# Altium PCB 11BRANMB10H3_20171027.pcbdoc (part 7 of 7) (continued)
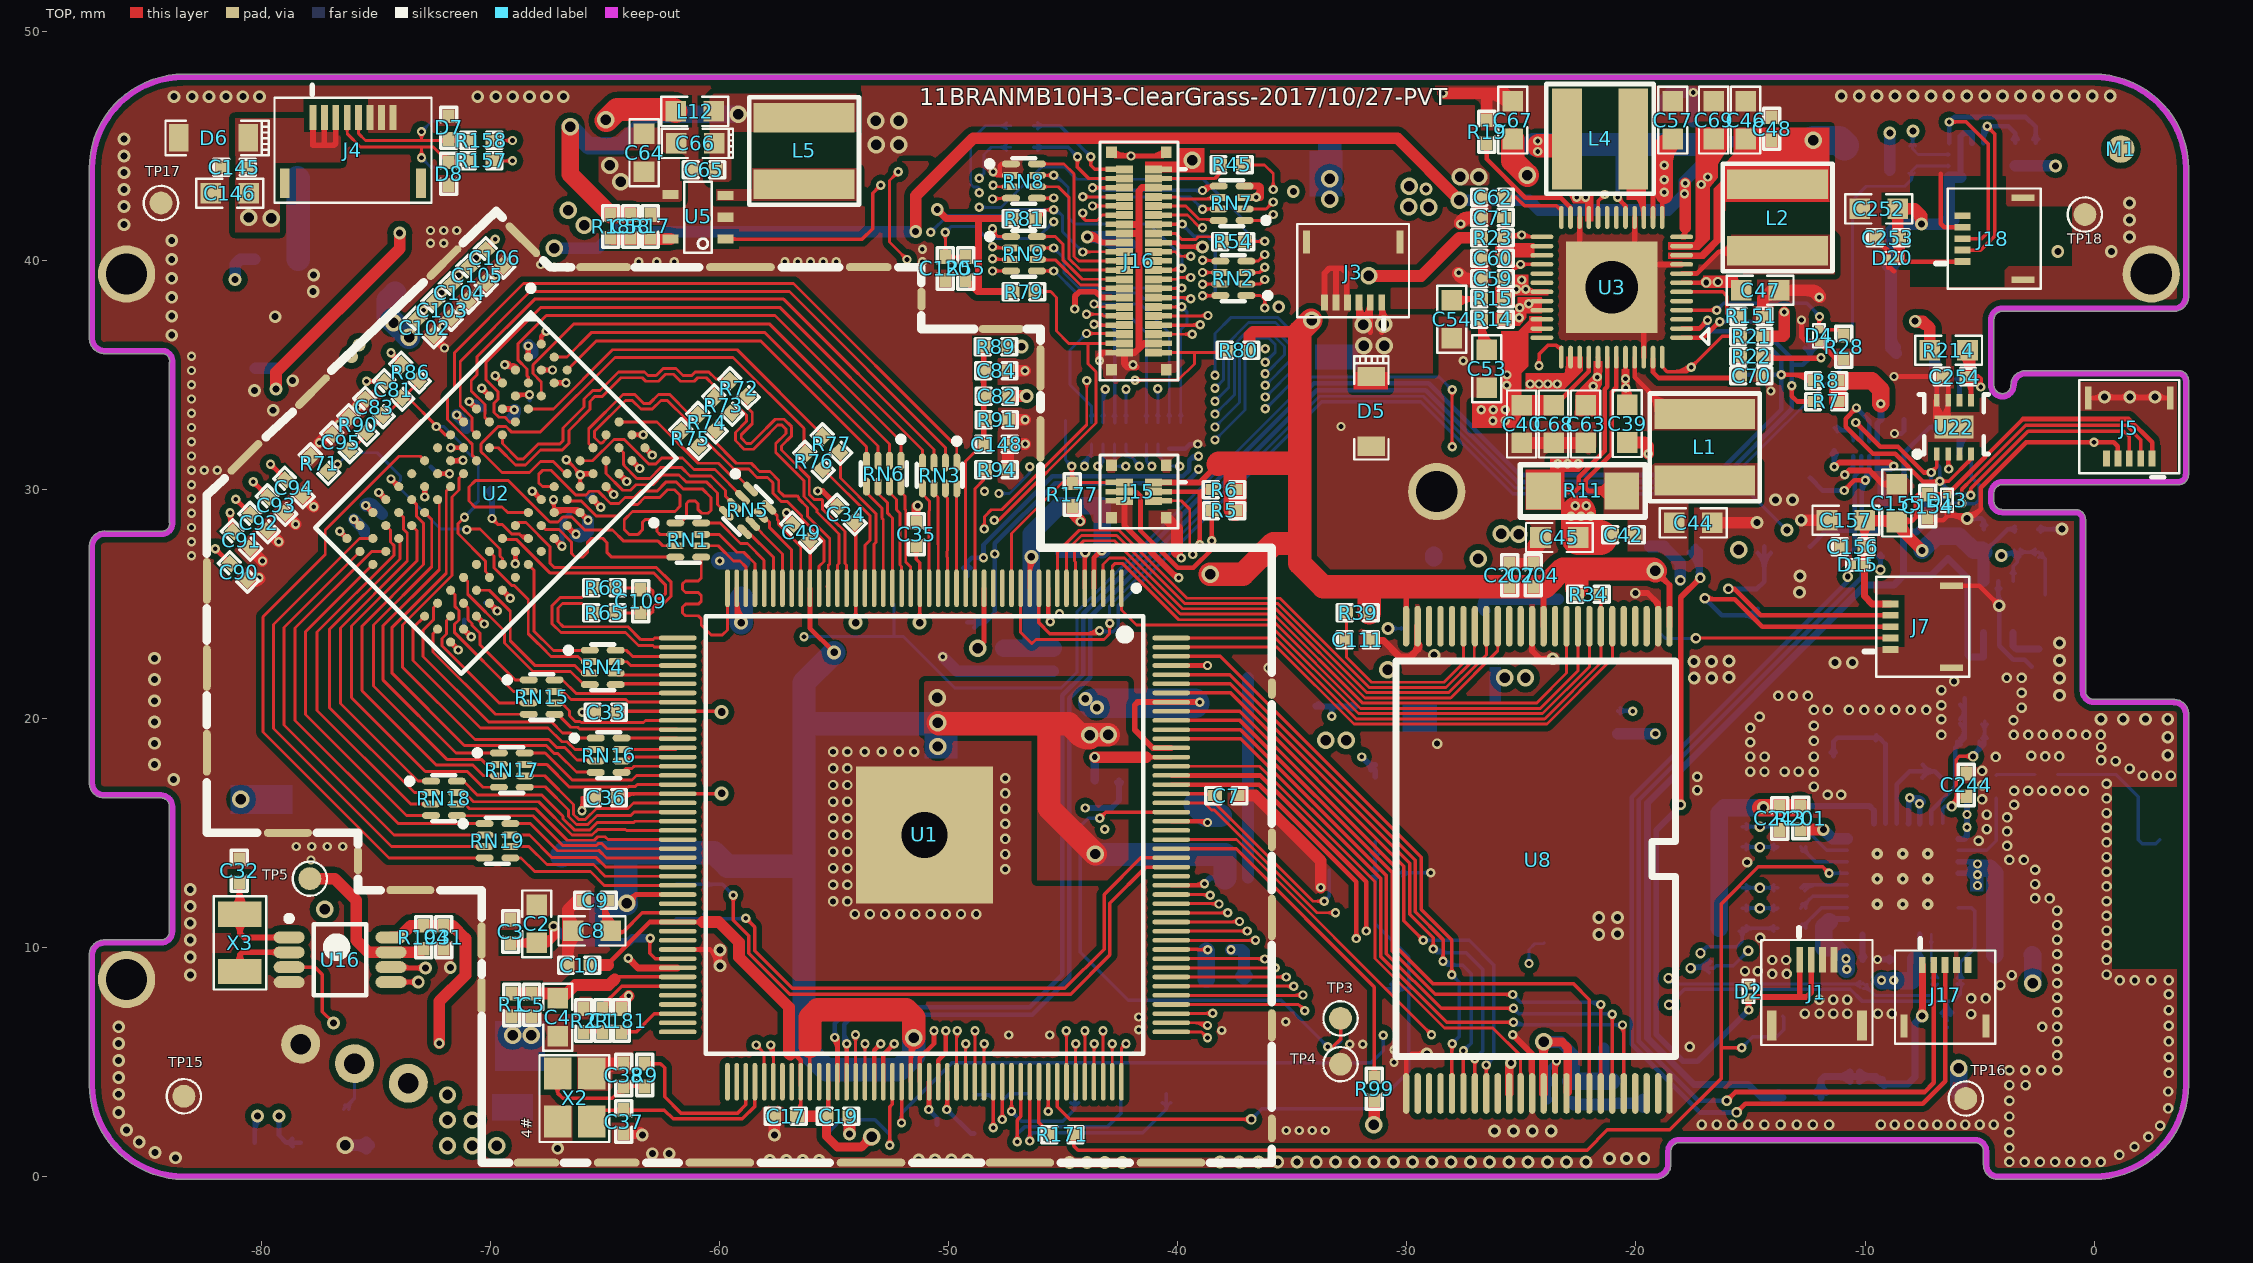
[diagram p0: TOP view]
## Polygon pours and split planes (outlines as drawn) (continued)
GND on TOP "Bottom-No Net" (solid, remove dead copper, pour order 578): -89.586,50.038 5.969,50.038 5.969,-2.565 6.121,-2.718 -91.338,-2.718 -91.643,-2.413
CORE-VDD on TOP "Bottom Layer-No Net" (solid, remove dead copper, pour order 608): -50.862,21.609 -42.175,21.609 -42.15,21.583 -42.175,21.558 -42.175,15.056 -42.175,12.973 -42.201,12.947 -42.226,12.922 -46.138,12.922 -46.138,19.221 -46.163,19.247 -46.265,19.348 -51.065,19.348 -51.065,21.558 -51.015,21.609
IPSOUT on TOP "TOP-No Net 1" (solid, remove dead copper, pour order 618): -65.289,44.52 -65.289,42.564 -61.759,42.564 -61.632,42.437 -61.657,42.462 -61.657,44.52
N502826 on TOP "TOP-No Net 1" (solid, remove dead copper, pour order 610): -54.037,45.612 -59.498,45.612 -59.498,43.478 -59.574,43.402 -59.6,43.427 -60.438,43.427 -60.438,47.085 -60.362,47.161 -60.26,47.263 -54.037,47.263
N502982 on TOP "TOP-No Net 1" (solid, remove dead copper, pour order 609): -53.961,43.986 -53.936,43.961 -53.936,42.589 -60.159,42.589 -60.159,43.097 -58.584,43.097 -58.584,44.012 -54.037,44.012 -54.012,43.986
N497618 on TOP "TOP-No Net 1" (solid, remove dead copper, pour order 605): -20.057,35.263 -20.035,35.241 -19.257,35.241 -18.898,34.882 -18.771,35.009 -14.58,35.009 -14.58,32.596 -14.705,32.471 -19.848,32.471 -19.848,34.059 -19.787,34.12 -19.914,34.247 -20.041,34.247
N496496 on TOP "Bottom Layer-No Net" (solid, remove dead copper, pour order 604): -17.501,39.454 -17.501,40.216 -17.498,40.219 -17.117,40.219 -16.358,40.978 -16.231,41.105 -15.977,41.105 -11.58,41.105 -11.516,41.169 -11.326,40.978 -11.326,39.4 -16.05,39.4 -16.104,39.454 -16.739,39.454 -17.466,39.454 -17.501,39.419
DCIN-5V on TOP "TOP-No Net 1" (solid, remove dead copper, pour order 614): -32.371,37.625 -32.371,35.107 -32.346,35.077 -28.866,35.077 -28.866,37.712 -28.942,37.625 -32.371,37.625
N496392 on TOP "Bottom Layer-No Net" (solid, remove dead copper, pour order 607): -21.373,31.058 -21.398,31.032 -21.398,28.746 -20.357,28.746 -20.357,27.121 -17.791,27.121 -17.766,27.095 -17.715,27.146 -17.715,29.457 -14.667,29.457 -14.642,29.432 -14.642,31.134 -21.373,31.134 -21.398,31.108
IPSOUT on TOP "Bottom Layer-No Net" (solid, remove dead copper, pour order 591): -53.834,48.743 -53.834,43.383 -53.834,42.977 -53.614,42.756 -25.764,42.756 -25.764,49.323 -26.225,49.784
USBVBUS on TOP "Bottom Layer-No Net" (solid, remove dead copper, pour order 598): -79.311,41.224 -81.165,41.224 -81.165,46.203 -79.869,46.203 -78.168,46.203 -78.168,45.745 -78.168,45.593 -76.542,45.593 -76.542,43.942 -76.694,44.094 -79.488,44.094 -79.209,44.094 -79.209,42.316 -79.209,41.224
GND on BOTTOM "Bottom-No Net" (solid, remove dead copper, pour order 573): -88.265,49.174 7.747,49.174 7.747,-0.965 8.026,-1.245 -88.138,-1.245 -88.265,-1.372
N17550467 on BOTTOM "Bottom Layer-No Net" (solid, pour order 603): -29.806,15.261 -23.125,15.261 -22.948,15.261 -22.948,13.61 -22.973,13.635 -25.284,13.635 -29.806,13.635
N17550444 on BOTTOM "Bottom Layer-No Net" (solid, pour order 602): -29.831,16.709 -21.5,16.709 -21.5,19.528 -21.5,19.757 -22.363,19.757 -23.659,19.757 -23.659,19.376 -23.659,18.055 -24.091,18.055 -28.434,18.055 -28.434,18.309 -28.434,18.385 -29.069,18.385 -29.831,18.385
IPSOUT on BOTTOM "Bottom Layer-No Net" (solid, pour order 601): -28.18,20.697 -25.919,20.697 -25.919,22.043 -25.919,22.246 -24.548,22.246 -23.735,22.246 -23.735,21.459 -23.735,19.909 -23.71,19.884 -23.71,19.147 -23.71,18.385 -23.837,18.258 -28.18,18.258
N499376 on BOTTOM "Bottom Layer-No Net" (solid, pour order 600): -80.606,38.096 -80.021,38.096 -80.021,36.775 -79.107,36.775 -78.929,36.775 -78.929,36.216 -78.929,35.81 -79.894,35.81 -81.622,35.81 -81.622,36.775 -80.58,36.775 -80.58,37.791 -80.58,38.096
BAT on BOTTOM "Bottom Layer-No Net" (solid, remove dead copper, pour order 599): -74.575,5.113 -70.892,5.113 -69.622,3.843 -69.266,3.488 -69.266,2.573 -69.266,0.617 -69.292,0.592 -73.457,0.592 -74.549,0.592 -74.575,0.617
CORE-VDD on BOTTOM "Bottom Layer-No Net" (solid, remove dead copper, pour order 612): -44.03,14.395 -44.03,12.693 -44.055,12.668 -44.055,12.541 -37.578,12.541 -37.781,12.744 -37.781,14.852 -44.03,14.852
CPU-VDD on BOTTOM "Bottom Layer-No Net" (solid, remove dead copper, pour order 611): -43.801,21.329 -43.268,21.329 -43.268,21.837 -43.242,21.863 -42.023,23.082 -41.54,23.565 -37.527,23.565 -37.527,15.081 -37.553,15.056 -37.705,15.208 -40.651,15.208 -40.651,19.856 -40.753,19.958 -43.776,19.958
N499368 on BOTTOM "TOP-No Net 1" (solid, remove dead copper, pour order 606): -73.29,46.018 -73.316,45.993 -73.316,39.744 -77.38,39.744 -77.405,39.719 -77.38,39.744 -77.38,40.913 -76.186,40.913 -76.161,40.938 -76.161,45.993
DCIN-5V on BOTTOM "TOP-No Net 1" (solid, remove dead copper, pour order 615): -24.649,38.195 -24.7,38.139 -32.371,38.139 -32.371,35.105 -32.396,35.077 -32.371,35.105 -25.31,35.105 -25.31,36.775 -25.284,36.803 -25.259,36.775 -24.649,36.775
IPSOUT on BOTTOM "TOP-No Net 1" (solid, remove dead copper, pour order 616): -75.373,36.646 -75.399,36.62 -77.812,36.62 -77.812,38.093 -78.726,38.093 -78.726,35.452 -78.65,35.376 -75.373,35.376
VLED- on BOTTOM "Bottom Layer-No Net" (solid, remove dead copper, pour order 586): -28.358,24.358 -28.333,24.333 -26.275,24.333 -26.275,27.407 -26.25,27.432 -26.301,27.382 -27.444,27.382 -27.571,27.382 -27.571,25.176 -27.571,24.879 -28.13,24.879 -28.358,24.879
N17800564 on BOTTOM "Bottom Layer-No Net" (solid, remove dead copper, pour order 587): -29.654,23.419 -29.654,23.622 -31.305,23.622 -31.33,23.647 -31.305,23.673 -31.305,24.46 -36.156,24.46 -36.156,22.073 -35.521,22.073 -35.521,21.082 -34.124,21.082 -34.099,21.107 -34.073,21.133 -34.073,22.809 -29.704,22.809 -29.654,22.86
N17800108 on BOTTOM "Bottom Layer-No Net" (solid, remove dead copper, pour order 589): -29.958,27.788 -36.156,27.788 -36.156,26.594 -36.156,25.933 -36.131,25.959 -31.381,25.959 -31.381,24.435 -31.355,24.46 -29.628,24.46 -29.628,24.816 -29.654,24.79 -29.958,24.79 -29.958,27.788
IPSOUT on BOTTOM "Bottom Layer-No Net" (solid, remove dead copper, pour order 592): -29.3,26.139 -29.265,26.167 -27.224,26.167 -27.224,27.689 -23.285,27.689 -23.214,27.745 -23.214,28.88 -29.265,28.88 -29.3,28.852 -29.476,28.852 -29.476,26.111
VLED+ on BOTTOM "Bottom Layer-No Net" (solid, remove dead copper, pour order 594): -33.87,22.657 -29.4,22.657 -29.4,21.647 -29.4,21.311 -33.184,21.311 -33.819,21.311 -33.87,21.367
HPVCC on BOTTOM "Bottom Layer-No Net" (solid, remove dead copper, pour order 590): -39.839,44.907 -39.811,44.933 -34.399,44.933 -34.399,43.555 -34.378,43.536 -37.007,43.536 -39.836,43.536 -39.839,43.538
VCC-5V on BOTTOM "Bottom Layer-No Net" (solid, remove dead copper, pour order 588): -69.074,6.096 -66.331,6.096 -60.286,6.096 -60.286,5.588 -60.286,4.597 -63.182,4.597 -68.846,4.597 -69.074,4.369
VCC-5V on BOTTOM "Bottom Layer-No Net" (solid, remove dead copper, pour order 593): -30.06,16.739 -30.06,19.355 -30.06,21.031 -30.085,21.057 -31.736,21.057 -31.736,19.863 -33.591,19.863 -34.505,19.863 -34.505,18.466 -34.505,16.967 -32.625,16.967 -32.244,16.967 -32.244,18.009 -32.244,18.593 -31.482,18.593 -30.898,18.593 -30.898,17.983 -30.898,16.739
CORE-VDD on BOTTOM "Bottom Layer-No Net" (solid, remove dead copper, pour order 596): -28.612,41.91 -32.575,41.91 -32.575,46.965 -28.739,46.965 -19.265,46.965 -19.265,45.974 -19.265,44.171 -19.316,44.221 -25.894,44.221 -28.612,44.221
USBVBUS on BOTTOM "Bottom Layer-No Net" (solid, remove dead copper, pour order 597): -34.251,44.069 -32.143,44.069 -32.143,41.453 -32.117,41.478 -31.101,41.478 -25.64,41.478 -24.853,40.691 -24.447,40.284 -24.447,38.329 -34.149,38.329 -34.251,38.43
CORE-VDD on BOTTOM "Bottom Layer-No Net" (solid, remove dead copper, pour order 613): -51.04,6.572 -51.04,4.642 -51.904,3.778 -52.132,3.549 -56.78,3.549 -57.136,3.549 -57.187,3.499 -57.238,3.549 -57.238,17.799 -57.238,23.463 -57.212,23.488 -57.187,23.514 -51.675,23.514 -49.999,23.514 -49.745,23.26 -49.618,23.133 -49.618,19.145 -49.618,18.916 -49.668,18.866 -49.694,18.891 -55.587,18.891 -55.587,6.572 -55.561,6.547
GND on POWER "Bottom-No Net" (solid, remove dead copper, pour order 574): -88.671,49.479 5.232,49.479 5.232,-1.295 -88.214,-1.295 -88.57,-1.651
BAT on POWER "Bottom Layer-No Net" (solid, remove dead copper, pour order 567): -72.474,0.914 -69.273,0.914 -69.273,1.575 -68.511,1.575 -56.065,1.575 -54.516,3.124 -54.516,5.969 -44,5.969 -39.53,10.439 -38.87,11.1 -38.87,13.563 -38.87,14.833 -38.412,15.291 -38.311,15.392 -35.161,15.392 -35.11,15.392 -34.094,14.376 -29.954,10.236 -27.922,10.236 -24.036,10.236 -22.385,11.887 -20.785,13.487 -20.785,15.646 -20.785,31.496 -20.785,31.902 -20.785,32.131 -21.725,33.071 -23.071,34.417 -24.798,34.417 -24.798,33.452 -24.138,32.791 -23.63,32.283 -23.63,29.921 -23.63,15.214 -24.468,14.376 -25.281,13.563 -28.913,13.563 -28.964,13.563 -31.732,16.332 -33.586,18.186 -39.708,18.186 -39.86,18.186 -41.892,16.154 -42.375,15.672 -42.375,12.319 -42.375,12.166 -43.238,11.303 -45.524,9.017 -48.293,9.017 -56.015,9.017 -57.666,7.366 -57.894,7.137 -57.894,5.004 -58.25,4.648 -58.402,4.496 -72.474,4.496
DRAM-VCC on POWER "TOP-No Net 1" (solid, remove dead copper, pour order 617): -71.284,41.218 -69.455,41.218 -67.474,39.236 -67.093,39.236 -46.976,39.236 -46.392,38.652 -46.011,38.271 -46.011,32.632 -46.189,32.632 -49.668,29.153 -49.795,29.026 -49.795,23.692 -59.041,23.692 -59.066,23.666 -59.143,23.59 -59.143,16.199 -59.143,14.802 -59.168,14.776 -59.219,14.725 -82.434,14.725 -82.434,29.635 -70.827,41.243
VCC-WIFI-3V3 on POWER "Bottom Layer-No Net" (solid, remove dead copper, pour order 595): -15.734,16.561 -15.76,16.535 -15.76,11.709 -15.76,7.823 -15.734,7.849 -9.13,7.849 -3.669,7.849 -3.644,7.823 -4.431,8.611 -4.431,17.043 -15.684,17.043 -15.734,16.993
IPSOUT on POWER "GRD" (solid, remove dead copper, pour order 619): -27.44,44.399 -27.331,44.501 -16.195,44.501 -16.195,38.608 -16.141,38.557 -16.168,38.532 -16.168,34.442 -16.168,33.884 -16.222,33.833 -16.25,33.807 -27.412,33.807
BAT on POWER "Bottom Layer-No Net" (solid, remove dead copper, pour order 568): -57.894,6.858 -57.894,7.772 -56.65,9.017 -56.319,9.347 -54.364,9.347 -46.032,9.347 -44.153,11.227 -43.01,12.37 -43.01,15.011 -43.01,15.951 -42.527,16.434 -42.375,16.586 -40.47,16.586 -40.47,11.735 -42.857,9.347 -44.204,8.001 -55.608,8.001 -55.608,7.925 -56.65,6.883
BAT on POWER "Bottom Layer-No Net" (solid, remove dead copper, pour order 569): -57.894,7.747 -61.349,4.292 -61.45,4.292 -61.45,3.632 -61.349,3.53 -61.12,3.759 -56.954,3.759 -56.954,7.848
BAT on POWER "Bottom Layer-No Net" (solid, remove dead copper, pour order 571): -33.586,18.186 -33.053,18.186 -33.002,18.186 -32.52,17.704 -28.887,14.071 -27.821,14.071 -25.585,14.071 -24.417,15.24 -24.138,15.519 -24.138,17.754 -24.138,20.294 -24.112,20.32 -24.087,20.345 -23.68,20.345 -22.69,20.345 -22.639,20.294 -22.741,20.193 -22.741,13.995 -22.741,13.944 -24.112,12.573 -24.29,12.751 -30.361,12.751 -30.361,14.706 -33.79,18.135
BAT on POWER "Bottom Layer-No Net" (solid, pour order 575): -20.785,13.487 -20.531,13.741 -20.531,14.478 -20.531,32.105 -20.531,32.131 -20.785,32.131 -20.963,32.131 -20.963,13.436 -20.988,13.411
CORE-VDD on POWER "Bottom Layer-No Net" (solid, remove dead copper, pour order 577): -51.036,21.59 -47.836,21.59 -47.836,19.913 -47.81,19.888 -44.788,19.888 -42.781,19.888 -42.375,20.294 -41.638,21.031 -41.638,24.358 -41.638,24.511 -41.689,24.562 -39.479,24.562 -35.822,24.562 -33.586,26.797 -33.561,26.822 -33.561,31.089 -33.561,31.521 -31.097,33.985 -29.98,35.103 -29.98,41.656 -29.98,43.434 -28.354,43.434 -28.354,32.867 -29.599,31.623 -30.742,30.48 -30.742,25.654 -30.742,25.501 -32.52,23.723 -33.713,22.53 -37.447,22.53 -38.539,22.53 -38.539,21.691 -39.911,20.32 -41.994,18.237 -51.062,18.237
CORE-VDD on POWER "Bottom Layer-No Net" (solid, remove dead copper, pour order 579): -30.335,34.722 -30.335,43.332 -30.056,43.612 -30.03,43.637 -28.481,43.637 -28.379,43.637 -28.354,43.662
CORE-VDD on POWER "Bottom Layer-No Net" (solid, remove dead copper, pour order 580): -30.335,43.058 -30.335,43.637 -28.964,43.637 -28.938,43.612 -28.938,41.935 -30.335,41.935
CORE-VDD on POWER "Bottom Layer-No Net" (solid, remove dead copper, pour order 581): -28.379,42.189 -27.998,42.189 -27.998,32.944 -29.345,31.597 -30.538,30.404 -30.538,28.194 -30.538,25.197 -32.164,23.571 -33.51,22.225 -37.879,22.225 -37.904,22.225 -39.352,20.777 -40.19,19.939 -40.394,19.939 -40.394,22.911 -40.165,23.139 -39.708,23.596 -35.39,23.596 -34.171,23.596 -32.012,25.755 -30.792,26.975 -30.792,32.207 -30.792,32.232 -28.862,34.163 -28.811,34.214 -28.811,41.935
CORE-VDD on POWER "Bottom Layer-No Net" (solid, remove dead copper, pour order 582): -39.581,22.885 -33.459,22.885 -33.332,22.758 -33.282,22.707 -33.078,22.707 -33.078,22.657 -33.51,22.225 -33.891,21.844 -36.711,21.844 -37.142,21.844 -38.616,20.371 -39.022,19.964 -40.216,19.964 -40.216,22.555 -40.089,22.682 -39.886,22.885 -33.434,22.885
CPU-VDD on POWER "Bottom Layer-No Net" (solid, remove dead copper, pour order 583): -11.819,44.551 -22.766,44.551 -23.528,45.313 -23.604,45.39 -25.23,45.39 -29.802,45.39 -30.615,44.577 -30.665,44.526 -30.665,43.764 -30.665,40.995 -31.3,40.36 -32.164,39.497 -32.164,35.814 -32.164,33.604 -32.951,32.817 -34.018,31.75 -34.018,29.667 -34.018,28.143 -37.142,25.019 -37.193,24.968 -43.111,24.968 -43.238,24.968 -43.238,21.92 -43.238,20.244 -43.492,19.99 -43.518,20.015 -46.718,20.015 -47.048,20.015 -47.429,20.015 -47.429,21.971 -49.487,21.971 -49.487,28.499 -46.972,31.013 -45.524,32.461 -40.216,32.461 -37.828,32.461 -34.704,35.585 -34.602,35.687 -34.602,41.427 -34.602,41.884 -32.621,43.866 -32.418,44.069 -32.418,46.863 -32.418,47.142 -26.779,47.142 -11.717,47.142 -11.717,46.279 -11.717,47.041 -11.615,47.142 -11.59,47.117 -11.59,45.085 -11.59,44.551
CPU-VDD on POWER "Bottom Layer-No Net" (solid, pour order 584): -34.602,41.529 -35.237,41.529 -35.237,39.065 -35.237,36.296 -36.914,34.62 -37.803,33.731 -45.448,33.731 -45.474,33.731 -45.499,33.706 -45.499,31.851 -36.355,31.851 -35.822,32.385 -33.866,34.341 -33.866,35.509 -33.866,41.249 -33.79,41.326
CORE-VDD on POWER "Bottom Layer-No Net" (solid, pour order 585): -66.505,10.744 -55.608,10.744 -55.583,10.769 -55.583,15.951 -55.583,18.948 -55.608,18.974 -49.284,18.974 -49.284,21.615 -49.334,21.564 -51.087,21.564 -51.087,23.165 -51.062,23.19 -51.062,23.419 -58.555,23.419 -58.58,23.444 -58.58,22.58 -58.58,14.3 -58.58,14.021 -66.479,14.021
HPVCC on POWER "Bottom-No Net" (solid, remove dead copper, pour order 620): -9.377,41.036 -9.377,46.455 -9.355,46.478 -1.223,46.478 -1.219,46.482 -1.219,43.205 -6.325,43.205 -6.35,43.18 -6.35,41.073 -6.387,41.036
GND on GND1 "Bottom-No Net" (solid, remove dead copper, pour order 570): -88.57,49.251 4.877,49.251 5.004,49.378 5.004,-0.559 -88.087,-0.559
GND on Singal "Bottom-No Net" (solid, remove dead copper, pour order 572): -89.51,49.251 4.648,49.251 4.648,-1.194 4.75,-1.295 -89.002,-1.295 -89.383,-0.914
GND on GND2 "Bottom-No Net" (solid, remove dead copper, pour order 576): -88.925,49.606 5.359,49.606 5.588,49.378 5.588,-1.168 5.715,-1.295 -88.9,-1.295 -89.027,-1.168
GND on Drill Drawing "Bottom-No Net" (solid, remove dead copper): -89.002,49.022 4.699,49.022 4.826,48.895 4.826,-1.372 4.521,-1.676 -89.154,-1.676 -89.738,-1.092

## Keep-outs
Keep-Out Layer:
  lines w0.254: -86.901,16.656 -84.4,16.656 cw(c-84.413,16.142) -83.9,16.129 ; -86.901,16.66 cw(c-86.901,17.158) -87.4,17.158 -87.4,27.55 cw(c-86.85,27.5) -86.8,28.05 -84.3,28.05 ccw(c-84.35,28.5) -83.9,28.55 -83.9,35.55 ccw(c-84.35,35.6) -84.3,36.05 -86.8,36.05 cw(c-86.85,36.6) -87.4,36.55 -87.4,44 cw(c-83.4,44) -83.4,48 0,48 cw(c0,44) 4,44 4,38.4 cw(c3.5,38.4) 3.5,37.9 -4,37.9 ccw(c-4,37.4) -4.5,37.4 -4.5,34.552 ccw(c-4,34.552) -4,34.052 ccw(c-4,34.552) -3.5,34.552 cw(c-3,34.552) -3,35.052 3.7,35.052 cw(c3.7,34.752) 4,34.752 4,30.632 ; -83.9,16.156 -83.9,10.7 cw(c-84.4,10.7) -84.4,10.2 -86.873,10.2 ccw(c-86.887,9.687) -87.4,9.7 -87.4,4 ccw(c-83.4,4) -83.4,0 -19.2,0 ccw(c-19.15,0.55) -18.6,0.5 -18.6,1.1 cw(c-18.1,1.1) -18.1,1.6 -5.2,1.6 cw(c-5.2,1.1) -4.7,1.1 -4.7,0.5 ccw(c-4.2,0.5) -4.2,0 0,0 ccw(c0,4) 4,4 4,20.2 ; -4.5,29.8 -4.5,29.49 ; -4.5,29.825 cw(c-3.999,29.826) -4,30.328 3.697,30.328 ccw(c3.697,30.628) 3.997,30.628 ; 3.5,20.698 cw(c3.5,20.198) 4,20.198 ; 3.5,20.7 0,20.7 cw(c0,21.2) -0.5,21.2 -0.5,28.69 ccw(c-0.8,28.69) -0.8,28.99 -4,28.99 ; -4.5,29.49 ccw(c-4,29.49) -4,28.99 ; -4.5,29.49 ccw(c-4,29.49) -4,28.99

## Other copper
TOP:
  rectangle net N497492: -20.422,42.629 -19.657,44.534
  rectangle net DCIN-5V: -25.284,37.458 -24.929,37.712
  rectangle net IPSOUT: -17.08,38.83 -15.556,39.338
  rectangle net HPVCC: -39.966,43.917 -38.848,44.907
  rectangle net HPVCC: -41.439,43.84 -38.848,44.323
  rectangle net DCIN-5V: -32.342,34.366 -30.818,35.128
  rectangle net IPSOUT: -20.632,34.036 -20.277,35.255
  pour cut-out: -4.191,35.027 -0.635,35.027 -0.66,30.328 -4.166,30.328 -4.191,30.353
  pour cut-out: -8.026,39.853 -8.026,43.637 -8.001,43.663 -3.886,43.663 -3.861,43.637 -3.861,42.494 -3.886,42.469 -3.759,42.342 -0.965,42.342 -0.965,39.751 -3.734,39.751 -3.912,39.573 -3.912,38.837 -8.026,38.837 -8.026,39.761
  pour cut-out: 4.234,17.018 0.805,17.018 0.78,16.992 0.78,9.042 4.742,9.042
  region net IPSOUT: -24.103,36.833 -24.107,36.829 -24.107,36.83 -24.713,36.83 -24.713,35.382 -25.018,35.077 -25.018,32.69 -27.151,32.69 -27.151,33.756 -25.881,33.756 -25.881,36.906 -25.145,36.906 -24.662,37.389 -24.662,37.554 -24.65,37.566 -24.103,37.566
  region net DCIN-5V: -26.135,37.719 -25.399,37.719 -25.272,37.795 -25.272,38.049 -25.17,38.125 -25.17,38.379 -24.103,38.379 -24.103,37.693 -24.789,37.693 -24.789,37.49 -25.068,37.135 -26.135,37.135
  region net USBVBUS: -25.424,38.836 -25.322,38.963 -25.322,39.37 -24.713,39.37 -24.713,38.938 -24.586,38.786 -24.547,38.731 -24.179,38.735 -23.824,38.735 -23.824,38.481 -25.246,38.481 -25.272,38.43 -25.399,38.1 -25.449,37.973 -26.135,37.973 -26.135,38.836
  region net VINT: -24.433,40.741 -25.297,40.741 -25.297,40.589 -26.135,40.589 -26.135,39.776 -25.449,39.776 -25.373,39.852 -25.373,40.106 -25.297,40.132 -24.992,40.132 -24.433,40.106
  region net BAT: -23.748,30.861 -23.748,31.343 -22.3,31.343 -22.3,30.937 -22.478,30.759 -23.138,30.759 -23.138,29.108 -24.814,29.108 -24.814,30.861
  region net BAT: -24.814,35.077 -24.814,34.341 -23.138,34.366 -22.325,35.179 -22.325,35.788 -23.036,35.788 -23.036,35.433 -23.113,35.077
  region net WIFI_3V3: -21.843,35.585 -21.843,35.001 -22.249,34.595 -22.63,34.188 -22.681,33.198 -21.589,33.198 -21.589,34.391 -21.487,34.595 -21.462,35.585
  pour cut-out: -81.037,42.312 -80.987,42.312 -80.987,42.414 -81.037,42.414
  pour cut-out: -24.651,37.565 -24.652,37.564 -24.652,36.874 -24.151,36.874 -24.107,36.829 -24.107,37.612 -24.529,37.612
  pour cut-out: -77.572,28.278 -68.174,37.676 -68.174,37.59 -61.951,31.367 -71.349,21.969 -71.349,21.928
  pour cut-out: -77.572,28.278 -68.26,37.59 -68.174,37.59 -61.951,31.367 -71.349,21.969 -71.349,21.928
  pour cut-out: -70.206,15.578 -69.317,15.578 -69.317,13.673 -70.206,13.673
  pour cut-out: -61.951,28.786 -61.697,28.532 -59.665,28.532 -59.665,23.579 -59.538,23.452 -63.094,23.452 -63.094,25.992 -63.257,26.155 -63.257,28.675
  pour cut-out: -49.505,31.072 -53.823,31.072 -53.823,30.183 -49.505,30.183
  pour cut-out: -53.823,30.183 -58.268,30.183 -63.221,25.23 -65.126,25.23 -72.873,32.977 -66.904,38.946 -62.586,38.946
  pour cut-out: -19.295,32.599 -19.284,32.588 -14.691,32.588 -14.691,31.136 -19.295,31.136
  pour cut-out: -16.12,42.565 -11.55,42.565 -11.516,42.599 -11.516,41.169 -16.12,41.169
  pour cut-out: -19.45,42.297 -19.401,42.248 -18.651,42.248 -18.651,41.869 -19.45,41.869
  pour cut-out: -53.936,45.51 -53.936,44.062 -53.961,44.037 -58.66,44.037 -58.66,45.485 -58.685,45.51
  pour cut-out: -26.402,43.891 -26.402,43.205 -26.479,43.282 -28.434,43.282 -28.384,43.231 -28.384,42.596 -25.742,42.596 -25.666,42.672 -25.844,42.85 -25.844,43.891
  pour cut-out: -65.289,44.779 -65.291,44.78 -65.988,44.78 -65.988,43.942 -65.81,43.764 -65.531,43.764 -65.531,44.526 -65.302,44.755
  region net WIFI_3V3: -17.245,40.462 -16.788,40.919 -16.788,43.18 -16.432,43.612 -16.432,44.196 -16.026,44.831 -16.026,45.796 -17.398,45.821 -17.398,40.945 -17.448,40.792 -18.591,40.792 -18.591,40.487 -18.566,40.462
  region net CPU-VDD: -18.591,40.335 -17.194,40.335 -16.61,40.919 -16.61,43.129 -16.153,43.586 -16.153,44.196 -15.721,44.628 -15.721,45.796 -11.556,45.796 -11.556,42.571 -11.55,42.565 -11.57,42.545 -16.102,42.545 -16.153,40.97 -17.017,40.056 -18.591,40.056
  pour cut-out: -11.58,41.105 -11.31,41.105 -11.302,41.097 -11.302,41.224 -11.657,41.224 -11.683,41.249
  region net IPSOUT: -22.884,42.977 -21.868,42.977 -21.868,41.707 -22.224,41.707 -22.224,42.494 -22.732,42.494 -22.884,42.773
Singal:
  pour cut-out: -6.387,43.129 -2.323,43.129 -2.323,38.755 -6.387,38.755
  pour cut-out: -58.063,21.666 -56.742,21.666 -56.793,21.615 -56.793,12.471 -57.936,12.471 -58.063,12.598
  pour cut-out: 4.234,17.043 0.805,17.043 0.78,17.018 0.78,9.068 4.742,9.068
  pour cut-out: -4.191,35.027 -0.635,35.027 -0.66,30.328 -4.166,30.328 -4.191,30.353
POWER:
  rectangle net CORE-VDD: -42.578,19.71 -41.562,24.485
  rectangle net CORE-VDD: -30.335,34.518 -29.878,36.22
  rectangle net CPU-VDD: -31.021,45.11 -24.823,45.618
  rectangle net CORE-VDD: -28.303,35.237 -28.075,39.116
  pour cut-out: -6.387,43.129 -2.323,43.129 -2.323,38.755 -6.387,38.755
  pour cut-out: -6.387,43.129 -2.323,43.129 -2.323,38.755 -6.387,38.755
  pour cut-out: -25.361,33.63 -25.412,33.68 -25.412,35.357 -20.687,35.357 -20.662,35.331 -20.687,35.306 -20.687,34.188 -19.214,34.188 -19.163,34.239 -19.113,34.188 -15.811,34.188 -15.811,33.655 -15.938,33.528 -16.115,33.706 -25.412,33.706
  pour cut-out: -18.046,44.425 -18.046,43.815 -15.836,43.815 -15.836,44.348 -15.887,44.399
  pour cut-out: -17.944,43.078 -17.944,39.675 -15.963,39.675 -15.938,39.7 -16.039,39.802 -16.039,42.977
  pour cut-out: -16.242,38.71 -17.97,38.71 -17.97,34.112 -17.766,33.909 -15.836,33.909 -15.836,38.659 -15.811,38.684
  pour cut-out: -23.812,44.577 -19.214,44.577 -19.189,44.552 -19.189,43.942 -23.812,43.942
  pour cut-out: -76.893,34.899 -76.436,34.442 -76.436,34.417 -74.303,36.55 -74.938,37.185 -75.268,37.185 -77.147,35.306
  pour cut-out: -32.337,42.672 -32.342,42.667 -32.342,41.554 -32.367,41.529 -34.653,41.529 -34.653,42.24 -34.628,42.265
  pour cut-out: -66.733,14.529 -59.19,14.529 -58.936,14.783 -58.936,23.469 -58.834,23.571 -58.428,23.571 -58.377,23.52 -58.377,14.275 -58.504,14.148 -66.733,14.148
  pour cut-out: -47.014,31.623 -46.608,31.623 -46.608,30.835 -47.37,30.073 -48.182,30.073 -48.182,30.302 -48.233,30.353 -47.014,31.572
  pour cut-out: -60.451,6.197 -60.451,5.461 -60.4,5.41 -58.596,7.213 -58.571,7.213 -58.571,7.366 -56.361,9.576 -56.539,9.753 -56.768,9.753
  pour cut-out: 4.234,17.043 0.805,17.043 0.78,17.018 0.78,9.068 4.742,9.068
  pour cut-out: -4.191,35.027 -0.635,35.027 -0.66,30.328 -4.166,30.328 -4.191,30.353
GND1:
  pour cut-out: -6.387,43.129 -2.323,43.129 -2.323,38.755 -6.387,38.755
  pour cut-out: 4.234,17.018 0.805,17.018 0.78,16.992 0.78,9.042 4.742,9.042
  pour cut-out: -4.191,35.027 -0.635,35.027 -0.66,30.328 -4.166,30.328 -4.191,30.353
GND2:
  pour cut-out: -6.387,43.129 -2.323,43.129 -2.323,38.755 -6.387,38.755
  pour cut-out: 4.234,17.018 0.805,17.018 0.78,16.992 0.78,9.042 4.742,9.042
  pour cut-out: -4.191,35.027 -0.635,35.027 -0.66,30.328 -4.166,30.328 -4.191,30.353
BOTTOM:
  rectangle net USBVBUS: -33.891,43.993 -32.85,45.567
  rectangle net IPSOUT: -26.398,20.675 -25.89,22.25
  rectangle net VCC-WIFI-3V3: -5.418,12.446 -4.834,13.817
  rectangle net BAT: -69.938,2.438 -68.16,3.607
  rectangle net VCC-5V: -69.811,4.597 -67.627,6.782
  rectangle net DCIN-5V: -34.022,35.23 -32.143,36.322
  rectangle net USBVBUS: -34.247,42.773 -32.803,44.78
  rectangle net VCC-5V: -30.187,19.406 -28.688,20.599
  rectangle net DRAM-VCC: -81.368,15.824 -78.65,17.094
  rectangle net CORE-VDD: -51.062,18.237 -49.614,19.253
  pour cut-out: -3.8,43.129 -3.8,40.9 -3.9,40.8 -6.387,40.8 -6.387,38.755 -2.323,38.755 -2.323,43.129
  pour cut-out: 0.818,16.954 0.818,17.281 0.831,17.294 0.935,17.294 0.935,17.237 1.048,17.124 0.982,17.059 0.982,16.938
  pour cut-out: -23.633,18.563 -23.633,19.731 -23.684,19.782 -23.71,19.757 -23.71,18.563 -23.735,18.538
  pour cut-out: -28.129,17.979 -28.434,17.979 -28.439,17.984 -28.439,18.258 -28.256,18.258 -28.256,18.106 -28.155,18.106 -28.129,18.08
  pour cut-out: -23.633,18.563 -23.633,18.004 -23.938,18.004 -23.938,18.106 -23.71,18.106 -23.735,18.131 -23.735,18.563
  pour cut-out: -77.735,45.942 -77.786,45.891 -77.786,41.243 -76.364,41.243 -76.313,41.192 -76.161,41.345 -76.161,45.91
  pour cut-out: -28.124,26.307 -27.85,26.307 -27.85,26.167 -28.124,26.167
  pour cut-out: -32.224,41.91 -32.219,41.905 -32.219,41.123 -25.285,41.123 -25.361,41.199 -25.361,41.656
  pour cut-out: 2.532,16.967 2.532,14.275 2.558,14.249 2.583,14.275 3.244,14.275 3.244,17.018 3.269,16.992 4.082,16.992 4.082,9.042 4.056,9.017 2.939,9.017 2.939,10.058 1.897,10.058 1.897,9.004 0.818,9.004 0.818,16.954 0.805,16.967
  pour cut-out: -53.847,6.604 -53.796,6.655 -52.043,6.655 -52.043,6.172 -52.069,6.197 -53.821,6.197
  pour cut-out: -4.191,35.027 -0.635,35.027 -0.66,30.328 -4.166,30.328 -4.191,30.353

## Silkscreen, mask and mechanical layers (free items; w line width, h text height)
Silkscreen Top:
  lines w0.2: 2.489,30.531 3.073,30.531
  lines w0.381: -82.4,17.2 -82.4,15 -80.2,15 ; -82.4,19.7 -82.4,21 ; -82.4,23.4 -82.4,24.8 ; -82.4,27.2 -82.4,29.75 -81.63,30.469 ; -79.809,32.287 -78.643,33.376 ; -77.6,15 -75.8,15 -75.8,14.5 ; -76.964,35.186 -72.928,39.04 ; -75.8,13 -75.8,12.5 -74.8,12.5 ; -72.2,12.5 -70.4,12.5 -70.4,11.3 ; -71.224,40.749 -69.76,42.147 ; -70.4,7 -70.4,0.6 -69.2,0.6 ; -70.4,8.8 -70.4,9.3 ; -69.736,42.132 -69.474,41.858 ; -67.704,39.998 -67.406,39.7 -66.5,39.7 ; -66.8,0.6 -65.8,0.6 ; -63.7,39.7 -60.9,39.7 ; -63.2,0.6 -61.8,0.6 ; -58.2,0.6 -55.2,0.6 ; -57.3,39.7 -54.8,39.7 ; -52.2,39.7 -51.2,39.7 -51.2,39 ; -51.6,0.6 -48.6,0.6 ; -51.2,37 -48.9,37 ; -51.2,37.022 -51.2,37.6 ; -46.6,37 -46,37 -46,36.5 ; -46,31 -46,27.45 -35.9,27.45 -35.9,22 ; -46,33.5 -46,34.1 ; -45.1,0.6 -42.1,0.6 ; -38.6,0.6 -35.9,0.6 -35.9,1.2 ; -35.9,3 -35.9,5.7 ; -35.9,7.6 -35.9,10.1 ; -35.9,12.5 -35.9,14 ; -35.9,15.4 -35.9,20.6
  text "11BRANMB10H3-ClearGrass-2017/10/27-PVT" at -51.283,46.507 h1.27
  text "4#" at -68.058,1.676 h0.76 r90
Silkscreen Bottom:
  drawing of 636 lines, arcs and shapes, not listed
  text "4#" at -10.019,20.599 h0.76
  text "Danger! Electric" at -62.343,18.713 h0.76